# Altium PCB PCB2.PcbDoc (part 1 of 2) (continued)
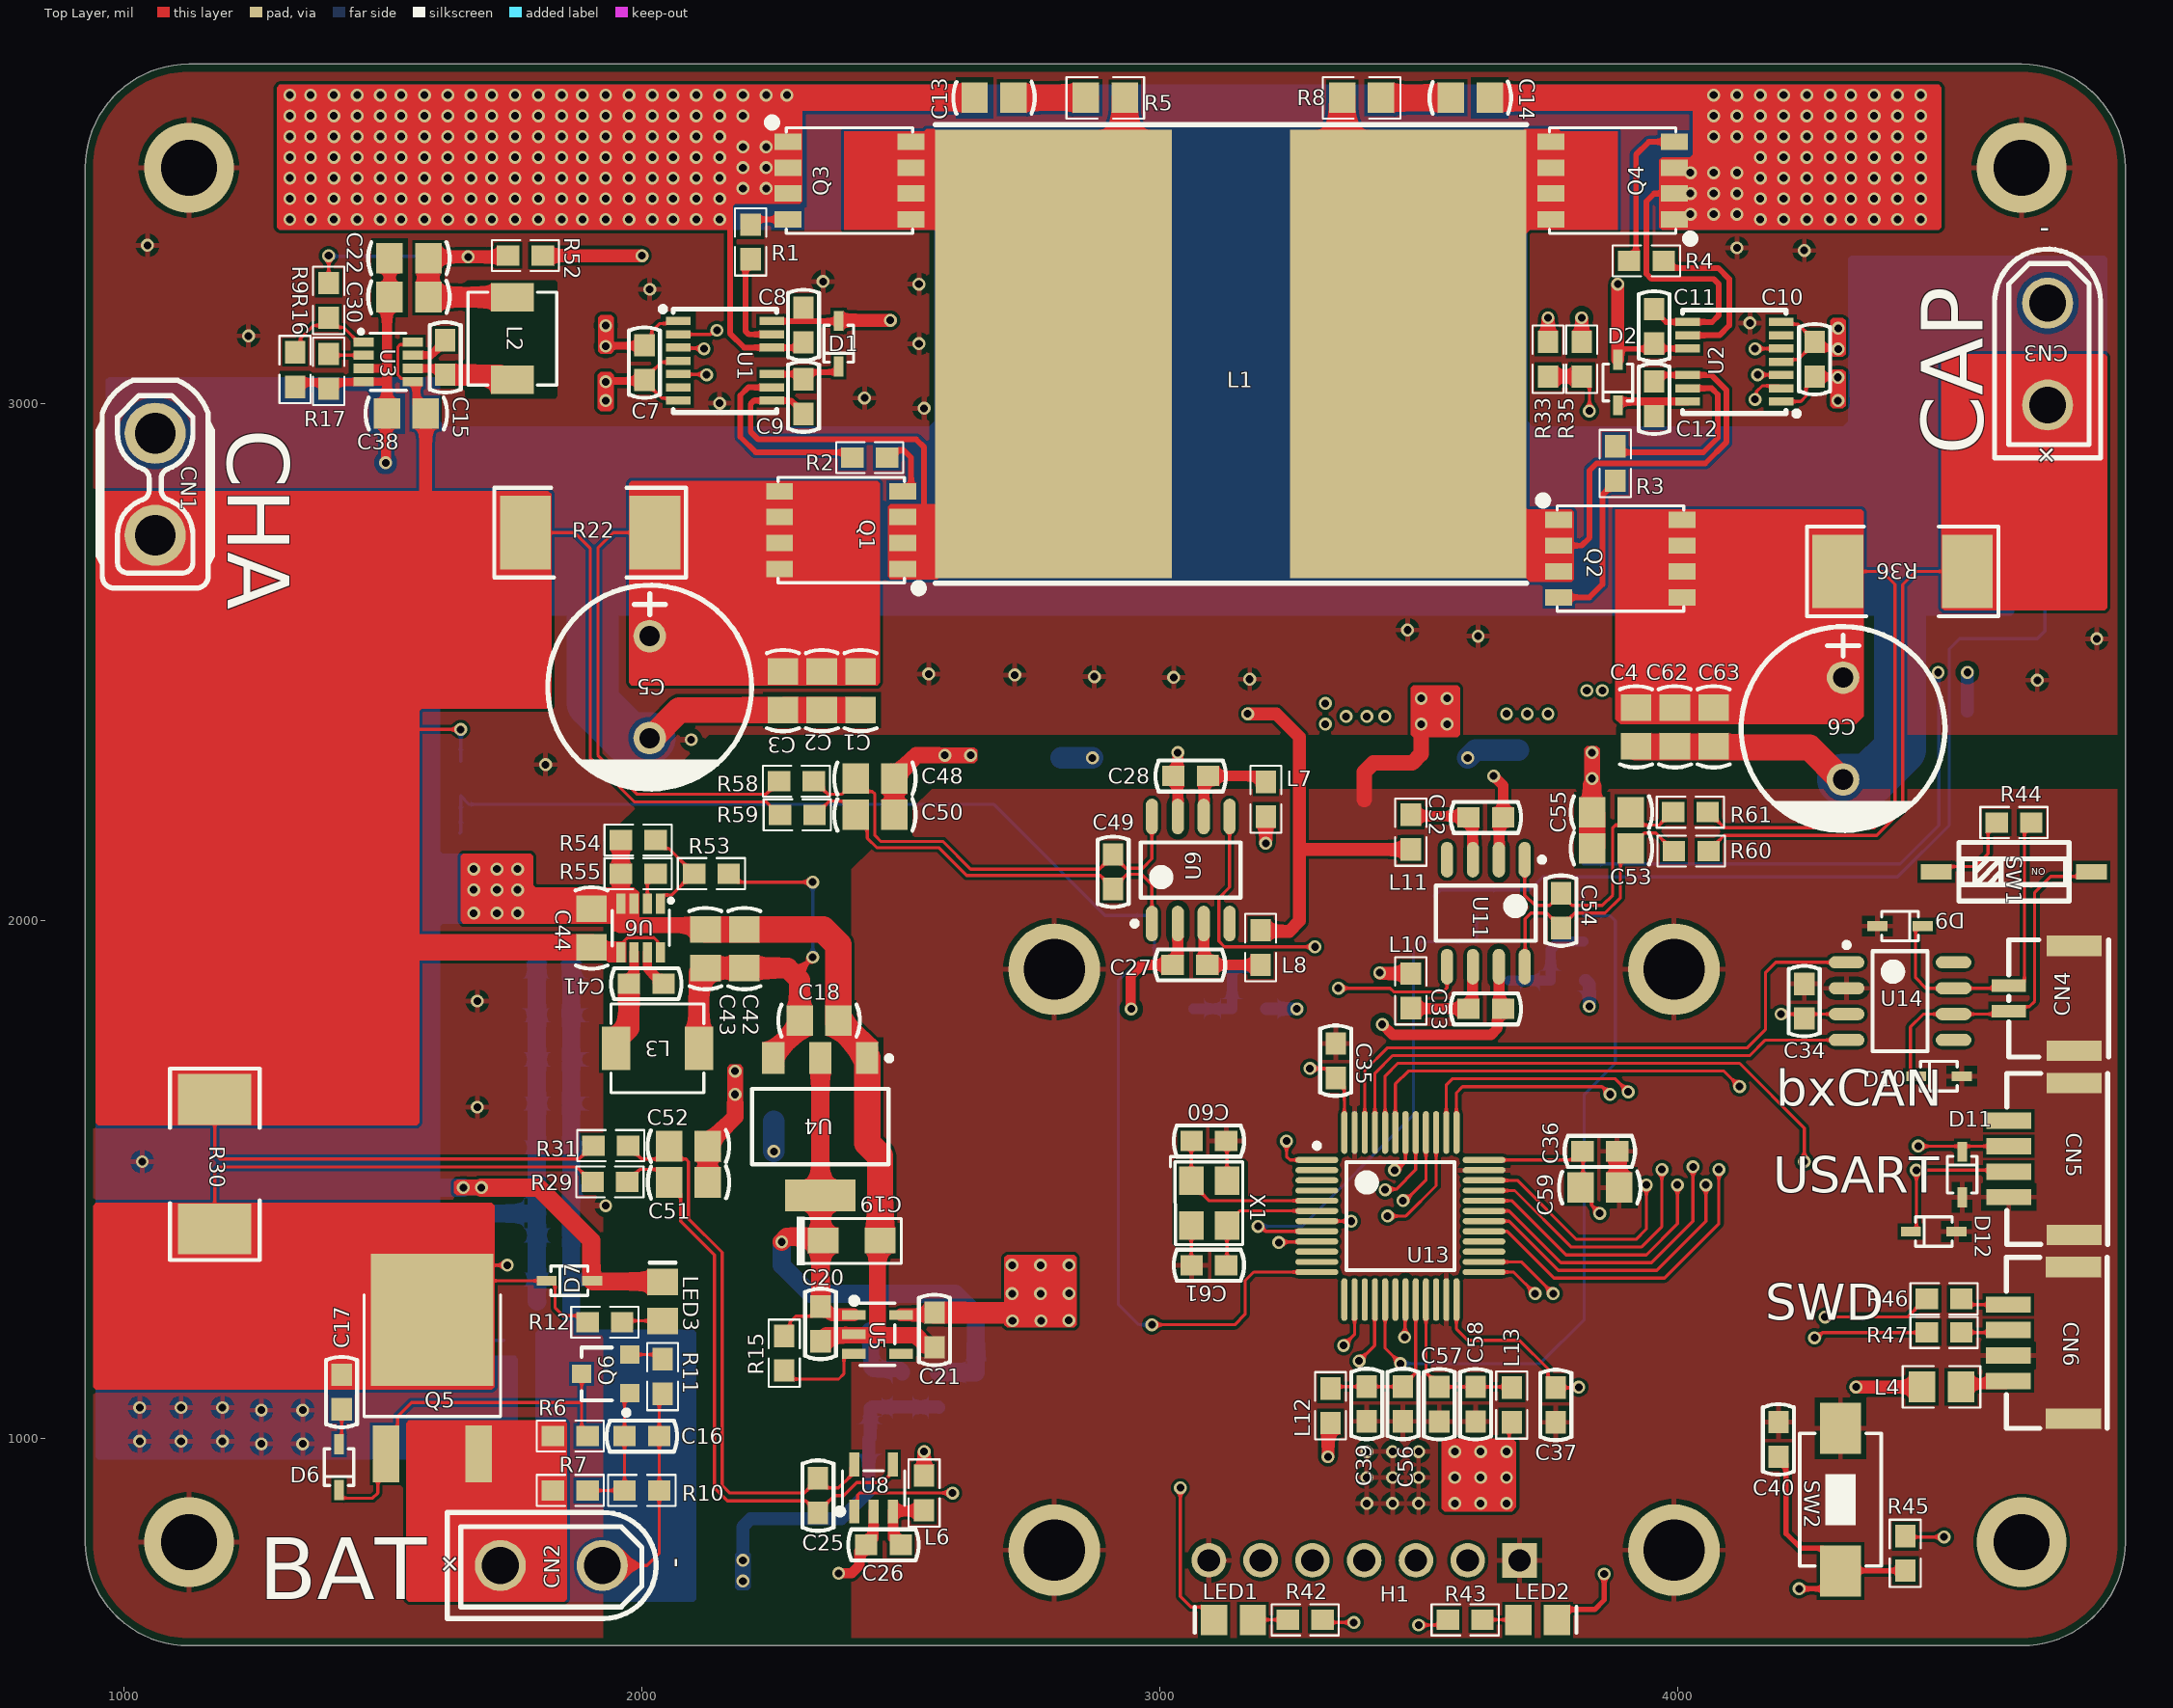
[diagram p0: Top Layer view]
## Components (designator, comment, footprint, x,y, rotation, side; value= is the part's Value field where it differs from the comment)
C1 "47nF" C-RAD-0805 2422.4,2444.85 r90 top
C2 "47nF" C-RAD-0805 2347.4,2444.85 r90 top
C3 "47nF" C-RAD-0805 2272.4,2444.85 r90 top
C4 "47nF" C-RAD-0805 3920,2375 r90 top
C5 "" CAP-TH_BD10.0-P5.00-D0.6-FD-A 2015,2451.58 r270 top value=1000uF
C6 "ZE11000UF35V119EC0014" CAP-TH_BD10.0-P5.00-D0.6-FD-A 4320,2371.58 r270 top value=1000uF
C7 "15nF" C-RAD-0603 2005,3078.46 r270 top
C8 "100nF" C-RAD-0603 2312.03,3151.13 r270 top
C9 "100nF" C-RAD-0603 2312.03,3012.67 r270 top
C10 "15nF" C-RAD-0603 4265,3085 r90 top
C11 "100nF" C-RAD-0603 3955,3148.46 r90 top
C12 "100nF" C-RAD-0603 3955,3008.46 r90 top
C13 "4.7nF" C-RAD-0805 2680,3590 r180 top
C14 "4.7nF" C-RAD-0805 3600,3590 r0 top
C15 "100nF" C-RAD-0603 1620,3088.46 r90 top
C16 "100nF" C-RAD-0603 2000,1005 r180 top
C17 "100nF" C-RAD-0603 1420,1090 r90 top
C18 "10uF" C-RAD-0805 2342.1,1807.61 r0 top
C19 "CA45-A-16V-10uF-K" CAP-3216 2405,1382.61 r0 top value=10uF
C20 "1uF" C-RAD-0603 2345,1221.54 r270 top
C21 "1uF" C-RAD-0603 2565,1210 r270 top
C22 "22uF" C-RAD-0805 1550,3280 r0 top
C23 "1uF" C-RAD-0603 1830,1940 r180 bottom
C24 "100nF" C-RAD-0603 3031.42,1830.35 r180 bottom
C25 "2.2uF" C-RAD-0603 2340,890 r270 top
C26 "100nF" C-RAD-0603 2466.54,795 r180 top
C27 "100nF" C-RAD-0603 3058.46,1915 r180 top
C28 "100nF" C-RAD-0603 3060,2280 r180 top
C29 "100nF" C-RAD-0603 3641.54,1885 r180 bottom
C30 "22uF" C-RAD-0805 1550,3205 r0 top
C31 "100nF" C-RAD-0603 2645,1095 r90 bottom
C32 "100nF" C-RAD-0603 3630,2200 r0 top
C33 "100nF" C-RAD-0603 3630,1830 r0 top
C34 "100nF" C-RAD-0603 4245,1845 r270 top
C35 "100nF" C-RAD-0603 3340,1730 r270 top
C36 "100nF" C-RAD-0603 3850,1555 r180 top
C37 "100nF" C-RAD-0603 3765,1065 r90 top
C38 "22uF" C-RAD-0805 1545,2980 r0 top
C39 "100nF" C-RAD-0603 3400,1067.03 r90 top
C40 "100nF" C-RAD-0603 4195,998.46 r270 top
C41 "100nF" C-RAD-0603 2008.46,1878.68 r0 top
C42 "22uF" C-RAD-0805 2197.8,1946.43 r270 top
C43 "22uF" C-RAD-0805 2122.8,1946.43 r270 top
C44 "22uF" C-RAD-0805 1902.8,1986.43 r270 top
C45 "47nF" C-RAD-0805 2615,2165 r90 bottom
C46 "10uF" C-RAD-0805 2400.43,999.01 r0 bottom
C47 "47nF" C-RAD-0805 3530,2085 r270 bottom
C48 "47nF" C-RAD-0805 2450,2275 r0 top
C49 "10nF" C-RAD-0603 2910,2095 r270 top
C50 "47nF" C-RAD-0805 2450,2205 r180 top
C51 "47nF" C-RAD-0805 2090,1495 r0 top
C52 "47nF" C-RAD-0805 2089.8,1565 r0 top
C53 "47nF" C-RAD-0805 3872.6,2140 r180 top
C54 "10nF" C-RAD-0603 3775,2020 r90 top
C55 "47nF" C-RAD-0805 3872.6,2210 r180 top
C56 "1uF" C-RAD-0603 3470,1067.03 r90 top
C57 "10nF" C-RAD-0603 3540,1066.54 r90 top
C58 "1uF" C-RAD-0603 3610,1066.54 r90 top
C59 "4.7uF" C-RAD-0805 3850,1485 r180 top
C60 "13pF" C-RAD-0603 3095,1575 r0 top
C61 "13pF" C-RAD-0603 3095,1335 r180 top
C62 "47nF" C-RAD-0805 3995,2375 r90 top
C63 "47nF" C-RAD-0805 4070,2375 r90 top
C64 "47nF" C-RAD-0805 2772.4,2315 r0 bottom
C65 "47nF" C-RAD-0805 2255,1650 r270 bottom
C66 "47nF" C-RAD-0805 3730,2330 r180 bottom
CN1 "XT30UPB-F" CONN-TH_XT30UPB-F 1060.01,2843.42 r90 top
CN2 "XT30UPB-M" CONN-TH_XT30UPB-M 1825,755 r180 top
CN3 "XT30UPB-M" CONN-TH_XT30UPB-M 4715,3095 r270 top
CN4 "A1257WR-S-2P" CONN-SMD_A1257WR-S-2P 4702.99,1850.4 r90 top
CN5 "HC-1.25-4PWT" CONN-SMD_4P-P1.25-HC-1.25-4PWT 4691.18,1540.39 r90 top
CN6 "HC-1.25-4PWT" CONN-SMD_4P-P1.25-HC-1.25-4PWT 4690,1185 r90 top
D1 "B5819WS_C22624" SOD-323_L1.8-W1.3-LS2.5-BI 2380,3115 r90 top
D2 "B5819WS_C22624" SOD-323_L1.8-W1.3-LS2.5-BI 3885,3040 r90 top
D4 "SMBJ26CA_C708000" SMB_L4.6-W3.6-LS5.3-BI 1820,895 r180 bottom
D6 "B5819WS_C22624" SOD-323_L1.8-W1.3-LS2.5-BI 1415,945 r90 top
D7 "B5819WS_C22624" SOD-323_L1.8-W1.3-LS2.5-BI 1860,1305 r0 top
D9 "UDD32C15L01" SOD-323_L1.8-W1.3-LS2.5-BI 4430,1990 r180 top
D10 "UDD32C15L01" SOD-323_L1.8-W1.3-LS2.5-BI 4505,1700 r0 top
D11 "UDD32C15L01" SOD-323_L1.8-W1.3-LS2.5-BI 4550,1510 r270 top
D12 "UDD32C15L01" SOD-323_L1.8-W1.3-LS2.5-BI 4495,1400 r0 top
H1 "PZ254V-11-07P" OLED_13inch 3395,765 r180 top
L1 "15uH" L-SMD-22 3137.52,3095 r0 top
L2 "MWSA0402S-100MT" L-SMD-4.5 1750,3124.84 r270 top value=10uH
L3 "MWSA0402S-100MT" L-SMD-4.5 2030.16,1753.68 r180 top value=10uH
L4 "L_600Ω@100MHZ" 0805-1 4510,1100 r180 top
L5 "60R@40M" 0603-1 3173.35,1830.35 r0 bottom
L6 "60R@40M" 0603-1 2545,895 r90 top
L7 "60R@40M" 0603-1 3205,2235 r270 top
L8 "60R@40M" 0603-1 3195,1948.46 r270 top
L9 "60R@40M" 0603-1 3788.46,1885 r0 bottom
L10 "60R@40M" 0603-1 3485,1865 r90 top
L11 "60R@40M" 0603-1 3485,2171.54 r270 top
L12 "60R@40M" 0603-1 3330,1063.46 r90 top
L13 "60R@40M" 0603-1 3680,1065 r90 top
LED1 "MHT192WDT-CYAN" LED_0805 3142.6,650 r180 top
LED2 "MHT192WDT-CYAN" LED_0805 3730,650 r0 top
LED3 "MHT192WDT-CYAN" LED_0805 2040,1265 r90 top
Q1 "AP68N06G" VDFN8 2385,2755 r90 top
Q2 "AP68N06G" VDFN8 3890,2700 r270 top
Q3 "AP68N06G" VDFN8 2400.89,3430 r270 top
Q4 "AP68N06G" VDFN8 3875,3430 r90 top
Q5 "ME50P06-G" TO-252-2 1595,1100 r90 top
Q6 "MMBT3904" SOT-23 1930,1125 r90 top
Q7 "DMTH8003SPS-13" PowerDI5060-8 1840,1115 r90 bottom
R1 "10Ω" 0603-1 2210,3311.54 r90 top
R2 "10Ω" 0603-1 2440,2895 r0 top
R3 "10Ω" 0603-1 3880,2883.46 r270 top
R4 "10Ω" 0603-1 3940,3275 r180 top
R5 "2.4Ω" 0805-1 2895,3590 r180 top
R6 "12kΩ" 0603-1 1861.54,1005 r180 top
R7 "20kΩ" 0603-1 1861.54,900 r180 top
R8 "2.4Ω" 0805-1 3390,3590 r0 top
R9 "10kΩ" 0603-1 1395,3198.46 r270 top
R10 "4kΩ" 0603-1 2000,900 r180 top
R11 "3.3kΩ" 0603-1 2040,1120 r90 top
R12 "30kΩ" 0603-1 1928.46,1225 r180 top
R13 "100kΩ" 0603-1 1645,1300 r90 bottom
R14 "100kΩ" 0603-1 1645,1165 r90 bottom
R15 "3kΩ" 0603-1 2275,1165 r270 top
R16 "510Ω" 0603-1 1330,3065 r90 top
R17 "68kΩ" 0603-1 1395,3061.54 r90 top
R22 "4mΩ" 2512 1900,2750 r180 top
R23 "RreciseR_30k" 0603-1 1650,2275 r90 bottom
R25 "7.5kΩ" 0805-1 1832.6,1860 r180 bottom
R26 "7.5kΩ" 0805-1 1835,1775 r180 bottom
R27 "RreciseR_3k" 0603-1 1615,2170 r0 bottom
R29 "5.1Ω" 0603-1 1938.27,1496 r180 top
R30 "6mΩ" 2512 1175,1530 r270 top
R31 "5.1Ω" 0603-1 1939.8,1566 r180 top
R32 "RreciseR_30k" 0603-1 4710,2765 r90 bottom
R33 "NCP18XH103F03RB" 0603-1 3750,3085 r270 top
R34 "RreciseR_3k" 0603-1 4775,2763.46 r270 bottom
R35 "10kΩ" 0603-1 3815,3085 r90 top
R36 "4mΩ" 2512 4435,2675 r180 top
R37 "7.5kΩ" 0805-1 1835,1690 r180 bottom
R38 "7.5kΩ" 0805-1 1835,1605 r180 bottom
R39 "1.6kΩ" 0603-1 2573.03,1094.01 r90 bottom
R40 "RreciseR_10k" 0603-1 2503.03,1094.01 r270 bottom
R41 "RreciseR_31.6k" 0603-1 2406.54,1210 r0 bottom
R42 "5.1kΩ" 0603-1 3281.06,650 r0 top
R43 "5.1kΩ" 0603-1 3590,650 r180 top
R44 "120Ω" 0603-1 4650,2190 r0 top
R45 "10kΩ" 0603-1 4440,778.46 r90 top
R46 "100Ω" 0603-1 4515,1270 r180 top
R47 "100Ω" 0603-1 4515,1205 r180 top
R48 "7.5kΩ" 0805-1 1835,1520 r180 bottom
R49 "7.5kΩ" 0805-1 1835,1435 r180 bottom
R50 "7.5kΩ" 0805-1 1835,1350 r180 bottom
R51 "7.5kΩ" 0805-1 1835,1265 r180 bottom
R52 "2.4Ω" 0603-1 1775,3285 r0 top
R53 "10kΩ" 0603-1 2134.33,2091.43 r180 top
R54 "910Ω" 0603-1 1992.8,2156.43 r0 top
R55 "68kΩ" 0603-1 1992.8,2091.43 r0 top
R58 "5.1Ω" 0603-1 2298.46,2270 r180 top
R59 "5.1Ω" 0603-1 2300,2205 r180 top
R60 "5.1Ω" 0603-1 4026.54,2135 r0 top
R61 "5.1Ω" 0603-1 4025,2210 r0 top
SW1 "DSHP01TSGET" SW-SMD_DSHP01TSGET 4650,2095 r270 top
SW2 "1TS002B-2700-5000" SW_PB2_A1 4315,880 r0 top
U1 "2EDF7275KXUMA1" LGA-13 2160.55,3081.77 r0 top
U2 "2EDF7275KXUMA1" LGA-13 4110,3080 r180 top
U3 "SY8303A" TSOT23-8 1510,3080 r0 top
U4 "AMS1117-5.0" SOT-223 2344.5,1602.61 r180 top
U5 "RT9013-33GB" SOT-23-5_L3.0-W1.7-P0.95-LS2.8-BL 2455,1201.54 r270 top
U6 "SY8303A" TSOT23-8 1997.8,1986.43 r270 top
U7 "COS722SR" SOIC127P610X175-8N 3093.23,1985.35 r0 bottom
U8 "INA197AIDBVT" SOT-23-5_L3.0-W1.7-P0.95-LS2.8-BL 2447.6,904.58 r0 top
U9 "INA240A1DR" SOIC127P610X175-8N 3060,2098.35 r90 top
U10 "COS722SR" SOIC127P610X175-8N 3715,2035 r0 bottom
U11 "INA240A1DR" SOIC127P610X175-8N 3630,2015 r270 top
U12 "CJ431_C3113" SOT-23 2398.03,1099.01 r270 bottom
U13 "STM32G474CET6" LQFP-48_M 3465,1430 r0 top
U14 "SN65HVD232DR" SOIC127P610X175-8N 4430,1845 r0 top
X1 "X322525MOB4SI" OSC-3225 3095.55,1454.66 r270 top value=25MHz

## Footprints (in the part's own frame and the unit in brackets; to place one, negate y for a bottom-side part, rotate by r counter-clockwise, add the part's x,y. Pads: shape width x height; smd on the part's side, far side on the other; paste and mask are expansions set on the pad)
0603-1 [mm] "贴片带丝印"
  rect 1.1x1 smd: 1(-0.85,0) 2(0.85,0)
  silkscreen extent -1.65,-0.76 1.65,0.76, body extent -1.14,-0.38 1.14,0.38, height 1
0805-1 [mm] "贴片带丝印"
  rect 1.3x1.5 smd: 1(-0.95,0) 2(0.95,0)
  silkscreen extent -1.91,-1.02 1.91,1.02, body extent -1.14,-0.51 1.14,0.51, height 1
2512 [mm] "保险丝"
  rect 2.5x3.6 smd: 1(-3.175,0) 2(3.175,0)
  silkscreen extent -4.7,-2.2 4.7,2.2, body extent -3.18,-1.65 3.18,1.65, height 1.2
C-RAD-0603 [mm] "贴片电容"
  rect 1.1x1 smd: 1(-0.85,0) 2(0.85,0)
  silkscreen extent -1.73,-0.76 1.73,0.76, body extent -1.14,-0.38 1.14,0.38, height 1
C-RAD-0805 [mm] "贴片电容"
  rect 1.3x1.5 smd: 1(-0.95,0) 2(0.95,0)
  silkscreen extent -2,-0.79 2,0.79, body extent -1.27,-0.64 1.27,0.64, height 0.9
CAP-3216 [mil] "钽电容"
  rect 60x50 smd: 1(-55,0) 2(55,0)
  silkscreen extent -106,-48 96,46
CAP-TH_BD10.0-P5.00-D0.6-FD-A [mm]
  round 1.6 hole 1 mask+0.051: 1(-2.5,0) 2(2.5,0)
  silkscreen extent -5,-5 5.08,5
CONN-SMD_4P-P1.25-HC-1.25-4PWT [mm]
  rect 0.8x2.2 smd: 1(-1.875,1.3) 2(-0.625,1.3) 3(0.625,1.3) 4(1.875,1.3)
  rect 1x2.7 smd: 5(-3.725,-1.9) 6(3.725,-1.9)
  silkscreen extent -4.19,-3.56 4.19,1.4
CONN-SMD_A1257WR-S-2P [mm]
  rect 0.6x1.7 smd: 1(0.625,1.6) 2(-0.625,1.6)
  rect 1x2.7 smd: 3(2.575,-1.6) 4(-2.575,-1.6)
  silkscreen extent -2.88,-3.3 2.87,1.6
CONN-TH_XT30UPB-F [mm]
  round 3 hole 2: 1(-2.5,0) 2(2.5,0)
  silkscreen extent -5.1,-2.8 5.1,2.8
CONN-TH_XT30UPB-M [mm]
  round 2.5 hole 1.8: 1(-2.5,0) 2(2.5,0)
  silkscreen extent -5.14,-2.6 5.1,2.6
L-SMD-4.5 [mm]
  rect 1.4x2.12 smd: 1(2.028,0) 2(-2.028,0)
  silkscreen extent -2.28,-2.18 2.28,2.18
L-SMD-22 [mm]
  rect 11.6x22 smd: 1(-8.7,0) 2(8.7,0)
  silkscreen extent -14.5,-11.25 14.5,11.25
LED_0805 [mm] "贴片二极管"
  rect 1.3x1.5 smd: 1(-0.95,0) 2(0.95,0)
  silkscreen extent 1.91,-0.63 1.91,0.64
LGA-13 [mm]
  rect 1.2x0.4 smd mask+0.051: 1(-2.3,1.95) 2(-2.3,1.3) 3(-2.3,0.65) 4(-2.3,0) 5(-2.3,-0.65) 6(-2.3,-1.3) 7(-2.3,-1.95) 8(2.3,-1.95) 9(2.3,-1.3) 10(2.3,-0.65) 11(2.3,0.65) 12(2.3,1.3) 13(2.3,1.95)
  silkscreen extent -3.17,-2.54 2.54,2.67
LQFP-48_M [mm] "Thin QFP, 48-Leads, Body 7x7mm, Pitch 0.5mm, IPC Low Density"
  oval 2.1x0.3 smd: 1(-4.1,2.75) 2(-4.1,2.25) 3(-4.1,1.75) 4(-4.1,1.25) 5(-4.1,0.75) 6(-4.1,0.25) 7(-4.1,-0.25) 8(-4.1,-0.75) 9(-4.1,-1.25) 10(-4.1,-1.75) 11(-4.1,-2.25) 12(-4.1,-2.75) 25(4.1,-2.75) 26(4.1,-2.25) 27(4.1,-1.75) 28(4.1,-1.25) 29(4.1,-0.75) 30(4.1,-0.25) 31(4.1,0.25) 32(4.1,0.75) 33(4.1,1.25) 34(4.1,1.75) 35(4.1,2.25) 36(4.1,2.75)
  oval 0.3x2.1 smd: 13(-2.75,-4.1) 14(-2.25,-4.1) 15(-1.75,-4.1) 16(-1.25,-4.1) 17(-0.75,-4.1) 18(-0.25,-4.1) 19(0.25,-4.1) 20(0.75,-4.1) 21(1.25,-4.1) 22(1.75,-4.1) 23(2.25,-4.1) 24(2.75,-4.1) 37(2.75,4.1) 38(2.25,4.1) 39(1.75,4.1) 40(1.25,4.1) 41(0.75,4.1) 42(0.25,4.1) 43(-0.25,4.1) 44(-0.75,4.1) 45(-1.25,4.1) 46(-1.75,4.1) 47(-2.25,4.1) 48(-2.75,4.1)
  silkscreen extent -4.22,-2.65 2.65,3.57, body extent -3.5,-3.5 3.5,3.5, height 1.6
OLED_13inch [mm]
  rect 1.7x1.7 hole 1.1 mask+0.051: 1(-7.62,0)
  round 1.7 hole 1.1 mask+0.051: 2(-5.08,0) 3(-2.54,0) 4(0,0) 5(2.54,0) 6(5.08,0) 7(7.62,0)
  round 4.5 hole 3 mask+0.051: 8(-15.2,-0.5) 8(-15.2,-29) 8(15.2,-0.5) 8(15.2,-29)
OSC-3225 [mm] "OSC-3225"
  rect 1.4x1.2 smd mask+0.051: 1(-1.1,-0.875) 2(1.1,-0.875) 3(1.1,0.875) 4(-1.1,0.875)
  silkscreen extent -2.29,-1.9 2.03,1.65
PowerDI5060-8 [mm]
  rect 0.8x1.321 smd mask+0.051: 1(-1.905,-2.721) 2(-0.635,-2.721) 3(0.635,-2.721) 4(1.905,-2.721) 5(1.905,2.721) 6(0.635,2.721) 7(-0.635,2.721) 8(-1.905,2.721)
  Top Layer region: -2.413,2.54 2.413,2.54 2.413,-0.508 -2.413,-0.508
  silkscreen extent -3.05,-4 2.59,2.79
SMB_L4.6-W3.6-LS5.3-BI [mil]
  rect 80.61x88.23 smd: 1(-102.02,0) 2(102.02,0)
  silkscreen extent -105,-75 108,75
SOD-323_L1.8-W1.3-LS2.5-BI [mm]
  rect 0.985x0.49 smd: 1(-1.117,0) 2(1.117,0)
  silkscreen extent -0.9,-0.73 0.9,0.73
SOIC127P610X175-8N [mm] "ACS712"
  oval 1.75x0.6 smd: 1(-2.625,1.905) 2(-2.625,0.635) 3(-2.625,-0.635) 4(-2.625,-1.905) 5(2.625,-1.905) 6(2.625,-0.635) 7(2.625,0.635) 8(2.625,1.905)
  silkscreen extent -2.75,-2.45 1.35,2.88, body extent -1.95,-2.45 1.95,2.45, height 1
SOT-23 [mm]
  rect 0.9x0.95 smd: 1(-0.95,-1.175) 2(0.95,-1.175) 3(0,1.175)
  silkscreen extent -2.03,-1.14 1.3,1.18
SOT-23-5_L3.0-W1.7-P0.95-LS2.8-BL [mm]
  rect 0.49x1.157 smd mask+0.051: 1(-0.95,-1.154) 2(0,-1.154) 3(0.95,-1.154)
  rect 0.49x1.175 smd mask+0.051: 4(0.95,1.154) 5(-0.95,1.154)
  silkscreen extent -1.8,-1.29 1.53,0.85
SOT-223 [mm]
  rect 1.1x1.55 smd: 1(-2.3,-3.375) 2(0,-3.375) 3(2.3,-3.375)
  rect 3.45x1.55 smd: 4(0,3.375)
  silkscreen extent -3.5,-3.48 3.35,1.85, body extent -3.3,-3.94 3.3,3.43, height 0.8
SW-SMD_DSHP01TSGET [mil]
  rect 30x60 smd mask+2: 1(0,150) 2(0,-150)
  silkscreen extent -57,-106 57,106
SW_PB2_A1 [mm]
  rect 2x2.5 smd: 1(0,3.556) 2(0,-3.444)
  silkscreen extent -2,-3.19 2,3.31, body extent -2.03,-3.17 2.03,3.3, height 1.2
TO-252-2 [mm]
  rect 2.8x1.3 smd mask+0.051: 1(-3.292,2.273) 3(-3.292,-2.273)
  rect 6.5x6 smd mask+0.051: 2(3.292,0)
  silkscreen extent -1.46,-3.35 4.51,3.34
TSOT23-8 [mm]
  rect 1x0.45 smd mask+0.051: 1(-1.2,0.975) 2(-1.2,0.325) 3(-1.2,-0.325) 4(-1.2,-0.975) 5(1.2,-0.975) 6(1.2,-0.325) 7(1.2,0.325) 8(1.2,0.975)
  silkscreen extent -1.39,-1.4 0.89,1.53
VDFN8 [mm]
  rect 0.8x1.321 smd mask+0.051: 1(-1.905,-3.025) 2(-0.635,-3.025) 3(0.635,-3.025) 4(1.905,-3.025) 5(1.905,3.025) 6(0.635,3.025) 7(-0.635,3.025) 8(-1.905,3.025)
  Top Layer region: -2.413,-0.254 2.413,-0.254 2.413,2.54 -2.413,2.54
  silkscreen extent -3.05,-4 2.59,3.1

## Part data
C1 C2 C3 C4 C45 C47 C48 C50 C51 C52 C53 C55 C62 C63 C64 C65 C66: "CL21B473KBCNNNC", BOM_JLCPCB Part Class="Extended Part", BOM_Manufacturer="Guangdong Fenghua Advanced Tech", BOM_Manufacturer Part=CL21B473KBCNNNC, BOM_Supplier=LCSC, BOM_Supplier Part=C157687, Contributor=LCSC, nameAlias=Capacitance, spicePre=C, spiceSymbolName=0805CG330J500NT
C5: library part ZE11000UF35V119EC0014, Equivalent Series Resistance(ESR)=8mΩ@100kHz, JLCPCB Part Class="Extended Part", LCSC Part Name="1000uF ±20% 35V", Lifetime @ Temp=2000hrs@105℃, Manufacturer=KNSCHA(科尼盛), Operating Temperature=-40℃~+105℃, Rated Voltage=35V, Ripple Current=6.2A@100kHz, Tolerance=±20%, Add into BOM=yes, Convert to PCB=yes, Datasheet=https://atta.szlcsc.com/upload/public/pdf/source/20220418/57B24F92C08E224D784EAACECC03E503.pdf, Device=ZE11000UF35V119EC0014, L=17mm, Lead Spacing=5mm, Manufacturer Part=ZE11000UF35V119EC0014, Name=1000uF, Supplier=LCSC, Supplier Footprint=径向引线,10x17mm, Supplier Part=C2992586, Symbol=ZE11000UF35V119EC0014, φD=10mm
C6: Equivalent Series Resistance(ESR)=8mΩ@100kHz, JLCPCB Part Class="Extended Part", LCSC Part Name="1000uF ±20% 35V", Lifetime @ Temp=2000hrs@105℃, Manufacturer=KNSCHA(科尼盛), Operating Temperature=-40℃~+105℃, Rated Voltage=35V, Ripple Current=6.2A@100kHz, Tolerance=±20%, Add into BOM=yes, Convert to PCB=yes, Datasheet=https://atta.szlcsc.com/upload/public/pdf/source/20220418/57B24F92C08E224D784EAACECC03E503.pdf, Device=ZE11000UF35V119EC0014, L=17mm, Lead Spacing=5mm, Manufacturer Part=ZE11000UF35V119EC0014, Name=1000uF, Supplier=LCSC, Supplier Footprint=径向引线,10x17mm, Supplier Part=C2992586, Symbol=ZE11000UF35V119EC0014, φD=10mm
C7 C8 C9 C10 C11 C12 C13 C14 C15 C16 C17 C18 C20 C21 C22 C23 C24 C25 C26 C27 C28 C29 C30 C31 C32 C33 C34 C35 C36 C37 C38 C39 C40 C41 C42 C43 C44 C46 C49 C54 C56 C57 C58 C59 C60 C61: BOM_JLCPCB Part Class="Extended Part", BOM_Manufacturer="Guangdong Fenghua Advanced Tech", BOM_Manufacturer Part=0805CG330J500NT, BOM_Supplier=LCSC, BOM_Supplier Part=C157687, Contributor=LCSC, nameAlias=Capacitance, spicePre=C, spiceSymbolName=0805CG330J500NT
C19: Equivalent Series Resistance(ESR)=10Ω@100kHz, JLCPCB Part Class="Extended Part", LCSC Part Name="10uF ±10% 16V", Manufacturer=CEC(振华新云), Operating Temperature=-55℃~+125℃, Rated Voltage=16V, Tolerance=±10%, Add into BOM=yes, Convert to PCB=yes, Datasheet=https://atta.szlcsc.com/upload/public/pdf/source/20170914/C128254_1505359752472967905.pdf, Device=CA45-A-16V-10uF-K, Manufacturer Part=CA45-A-16V-10uF-K, Name=10uF, Supplier=LCSC, Supplier Footprint=CASE-A-3216, Supplier Part=C128254, Symbol=CA45-A-16V-10UF-K
CN1 CN2 CN3: BOM_JLCPCB Part Class="Extended Part", BOM_Manufacturer="Changzhou Amass Elec", BOM_Supplier=LCSC, Contributor=LCSC, spicePre=C
  CN1: BOM_Manufacturer Part=XT30UPB-F, BOM_Supplier Part=C108769, nameAlias=Value, spiceSymbolName=XT30UPB-F
  CN2 CN3: BOM_Manufacturer Part=XT30UPB-M, BOM_Supplier Part=C428721, spiceSymbolName=XT30UPB-M
CN4: BOM_JLCPCB Part Class="Extended Part", BOM_Manufacturer="Changjiang Connectors", BOM_Manufacturer Part=A1257WR-S-2P, BOM_Supplier=LCSC, BOM_Supplier Part=C225125, Contributor=LCSC, spicePre=C, spiceSymbolName=A1257WR-S-2P
CN5 CN6: BOM_JLCPCB Part Class="Extended Part", BOM_Manufacturer=HCTL(华灿天禄), BOM_Manufacturer Part=HC-1.25-4PWT, BOM_Supplier=LCSC, BOM_Supplier Part=C2845381, Contributor=LCSC, spicePre=C, spiceSymbolName=HC-1.25-4PWT